# Altium PCB PCB.PcbDoc (part 1 of 3)
Units mm, origin at the board's own origin, x right, y up, seen from the top; angles counter-clockwise.
Board outline 100.74 x 35.37 mm, 4 copper layers (Top Layer, Mid Layer 1, Mid Layer 2, Bottom Layer), stack 0.999 mm thick; 266 components, 227 nets, 1140 pads, 295 vias.
Unrouted connection lines stored in the file: 229.
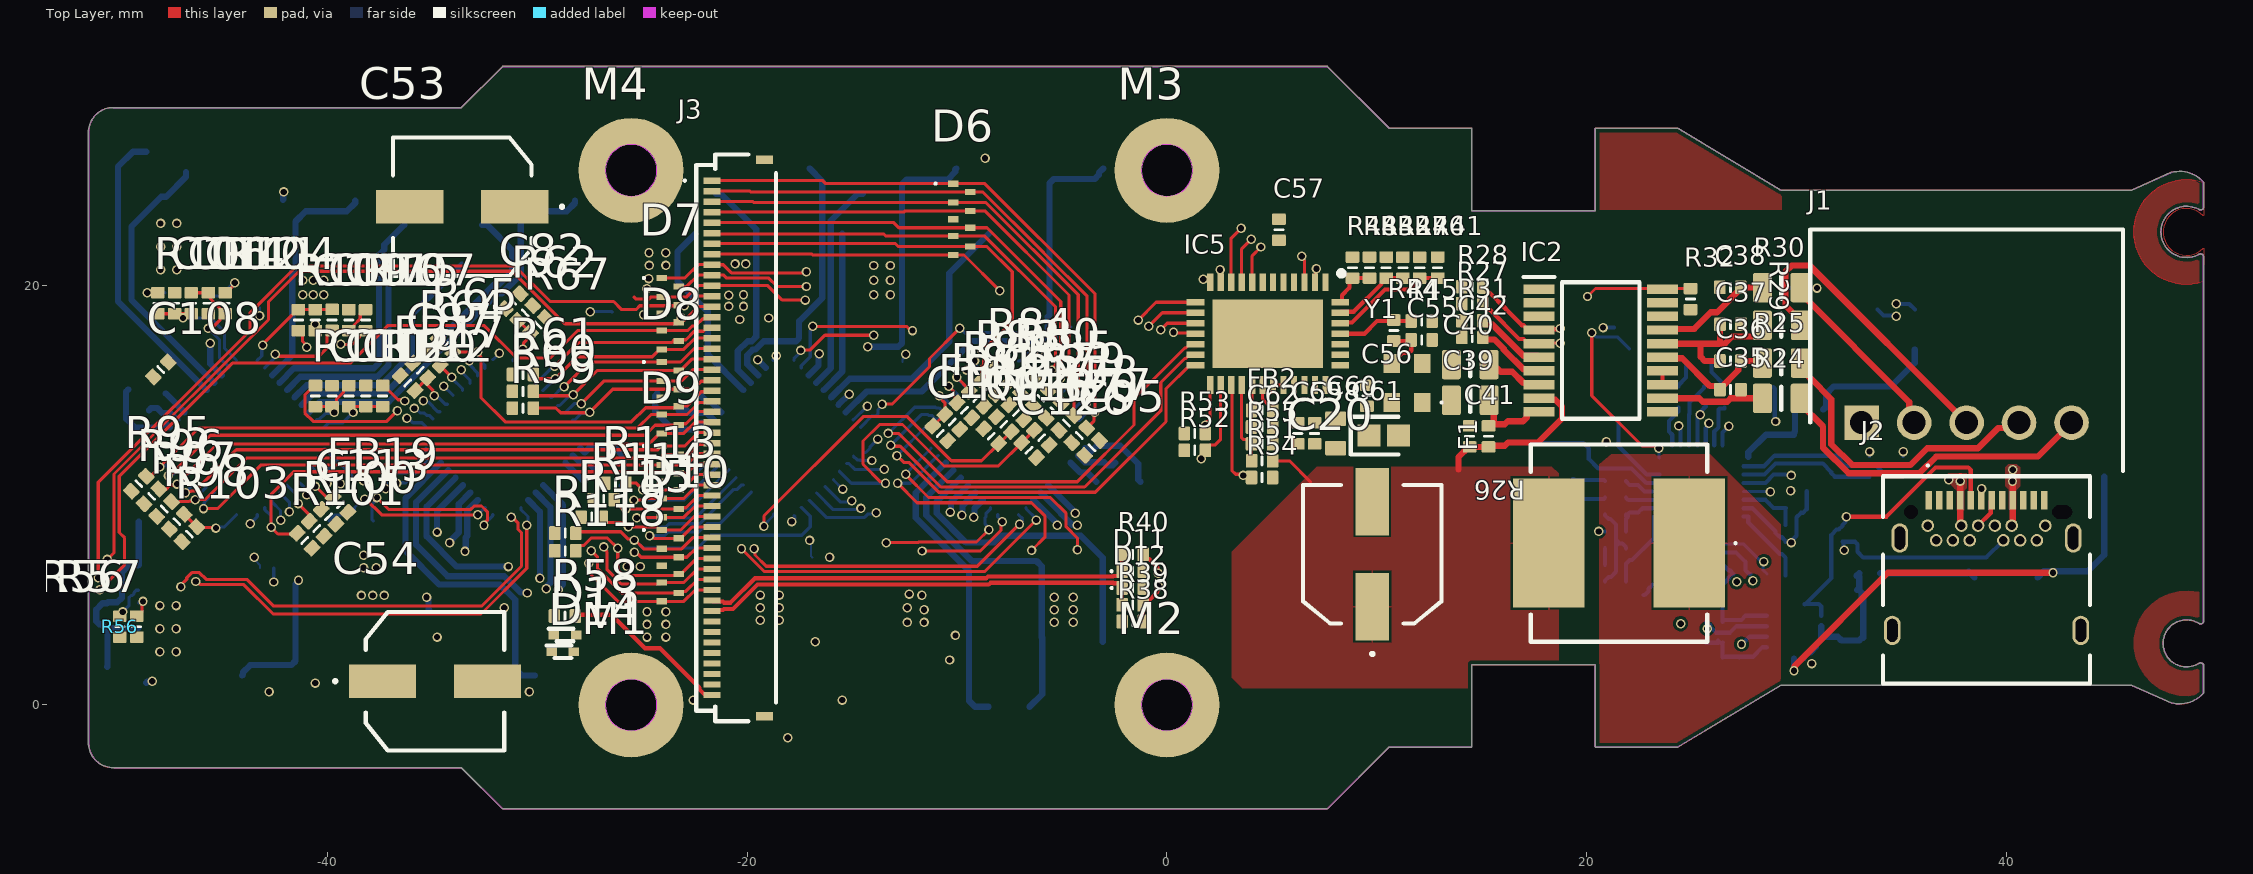
[diagram p0: Top Layer view]
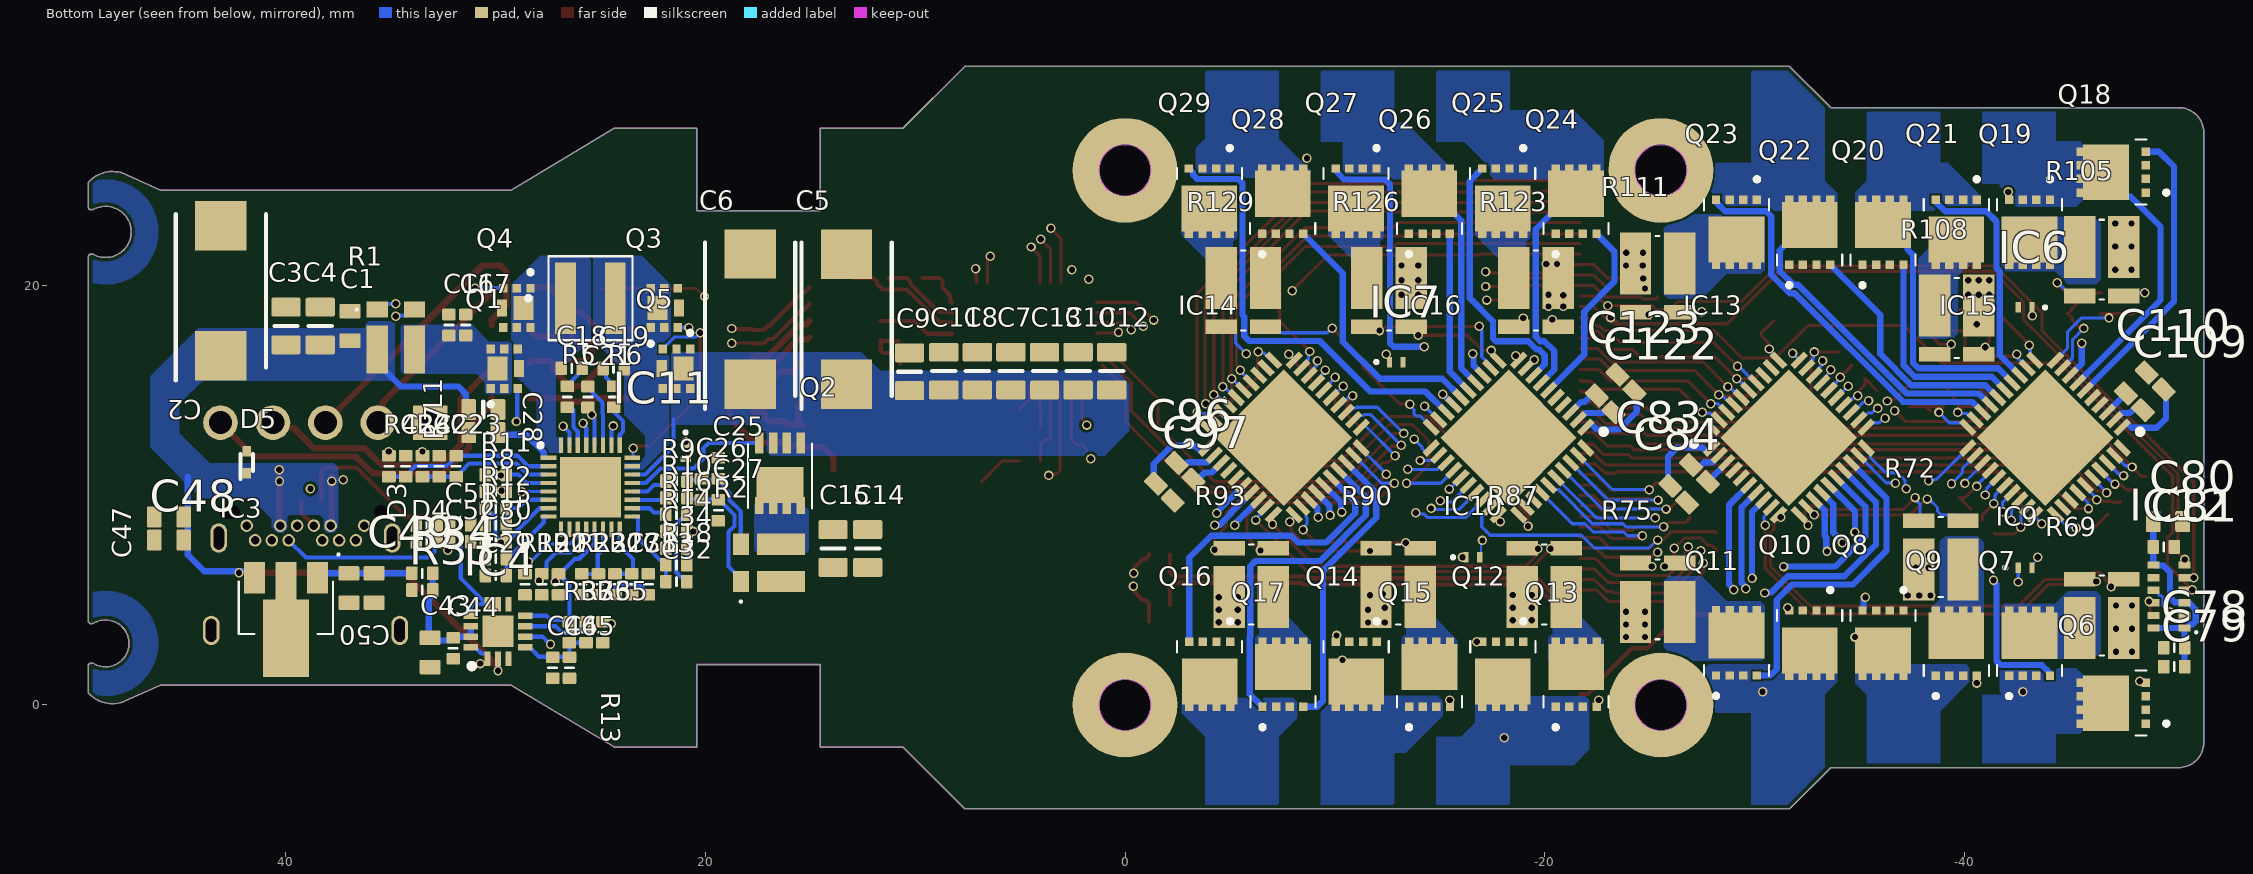
[diagram p1: Bottom Layer view, seen from below]
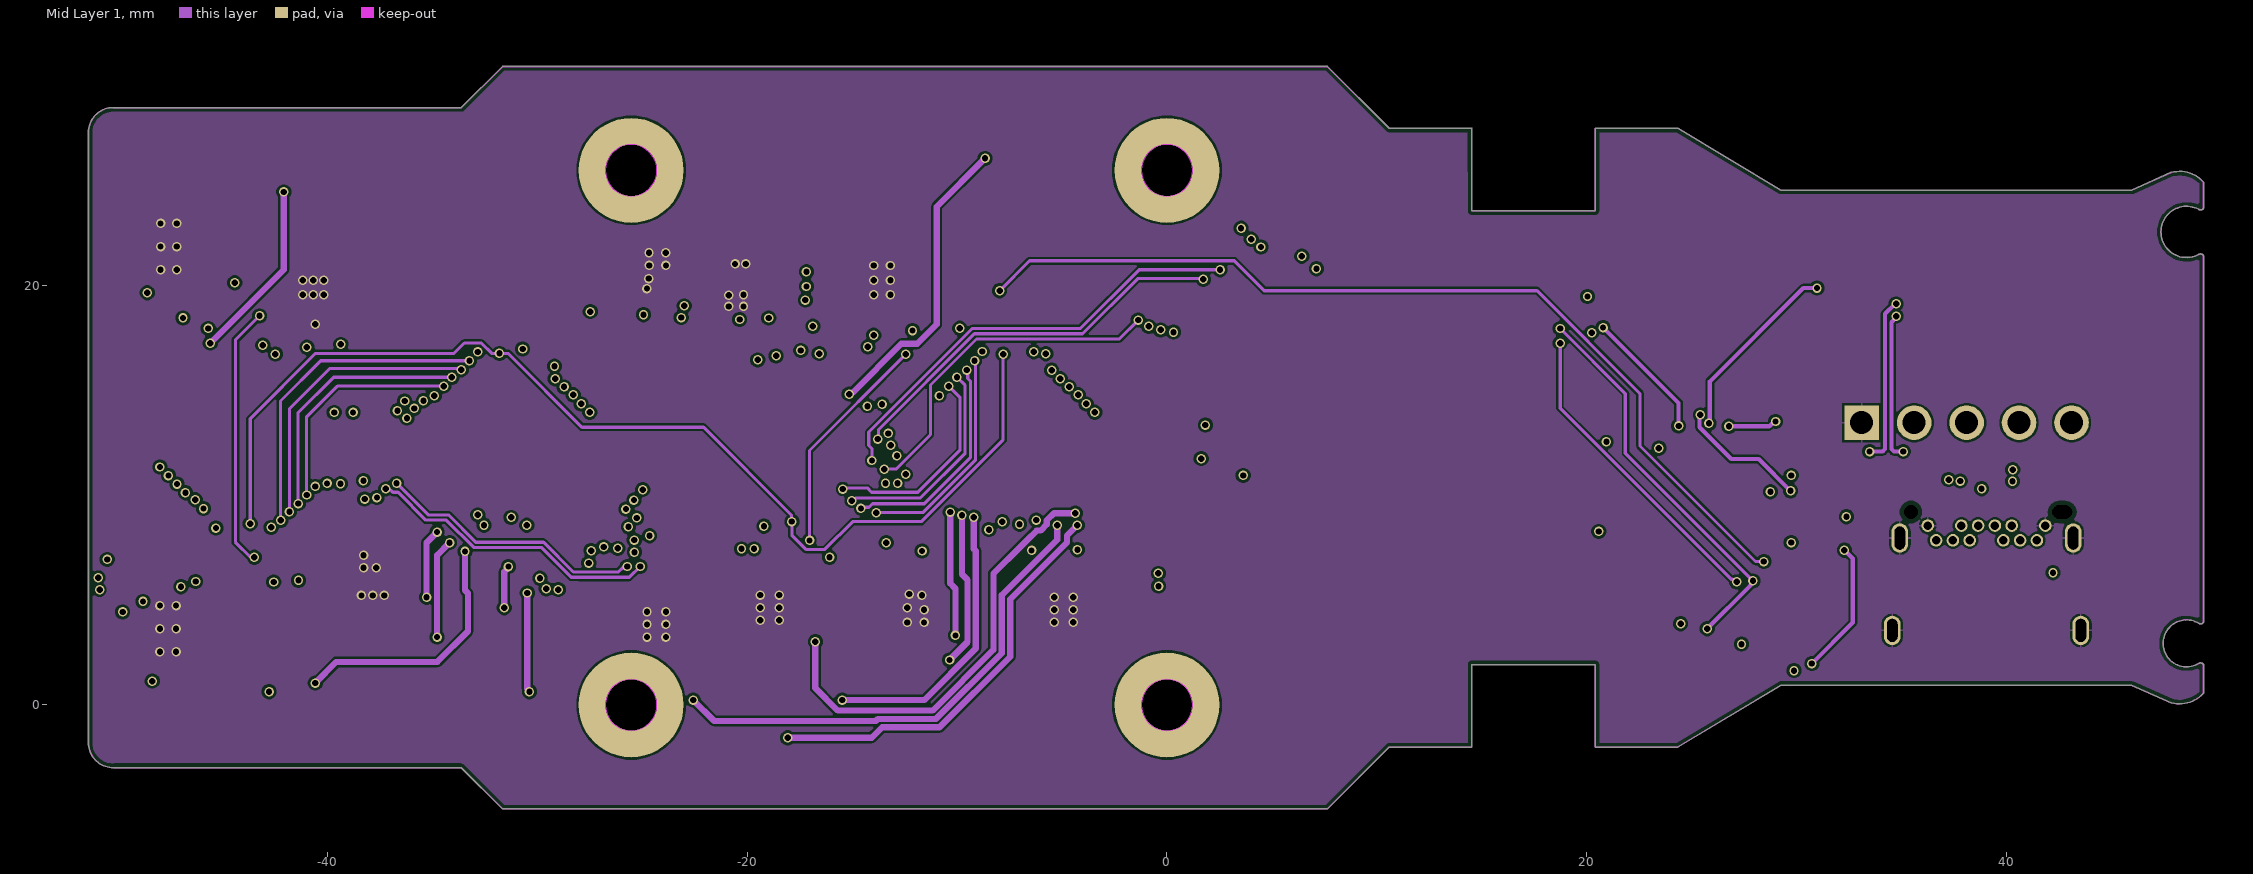
[diagram p2: Mid Layer 1]
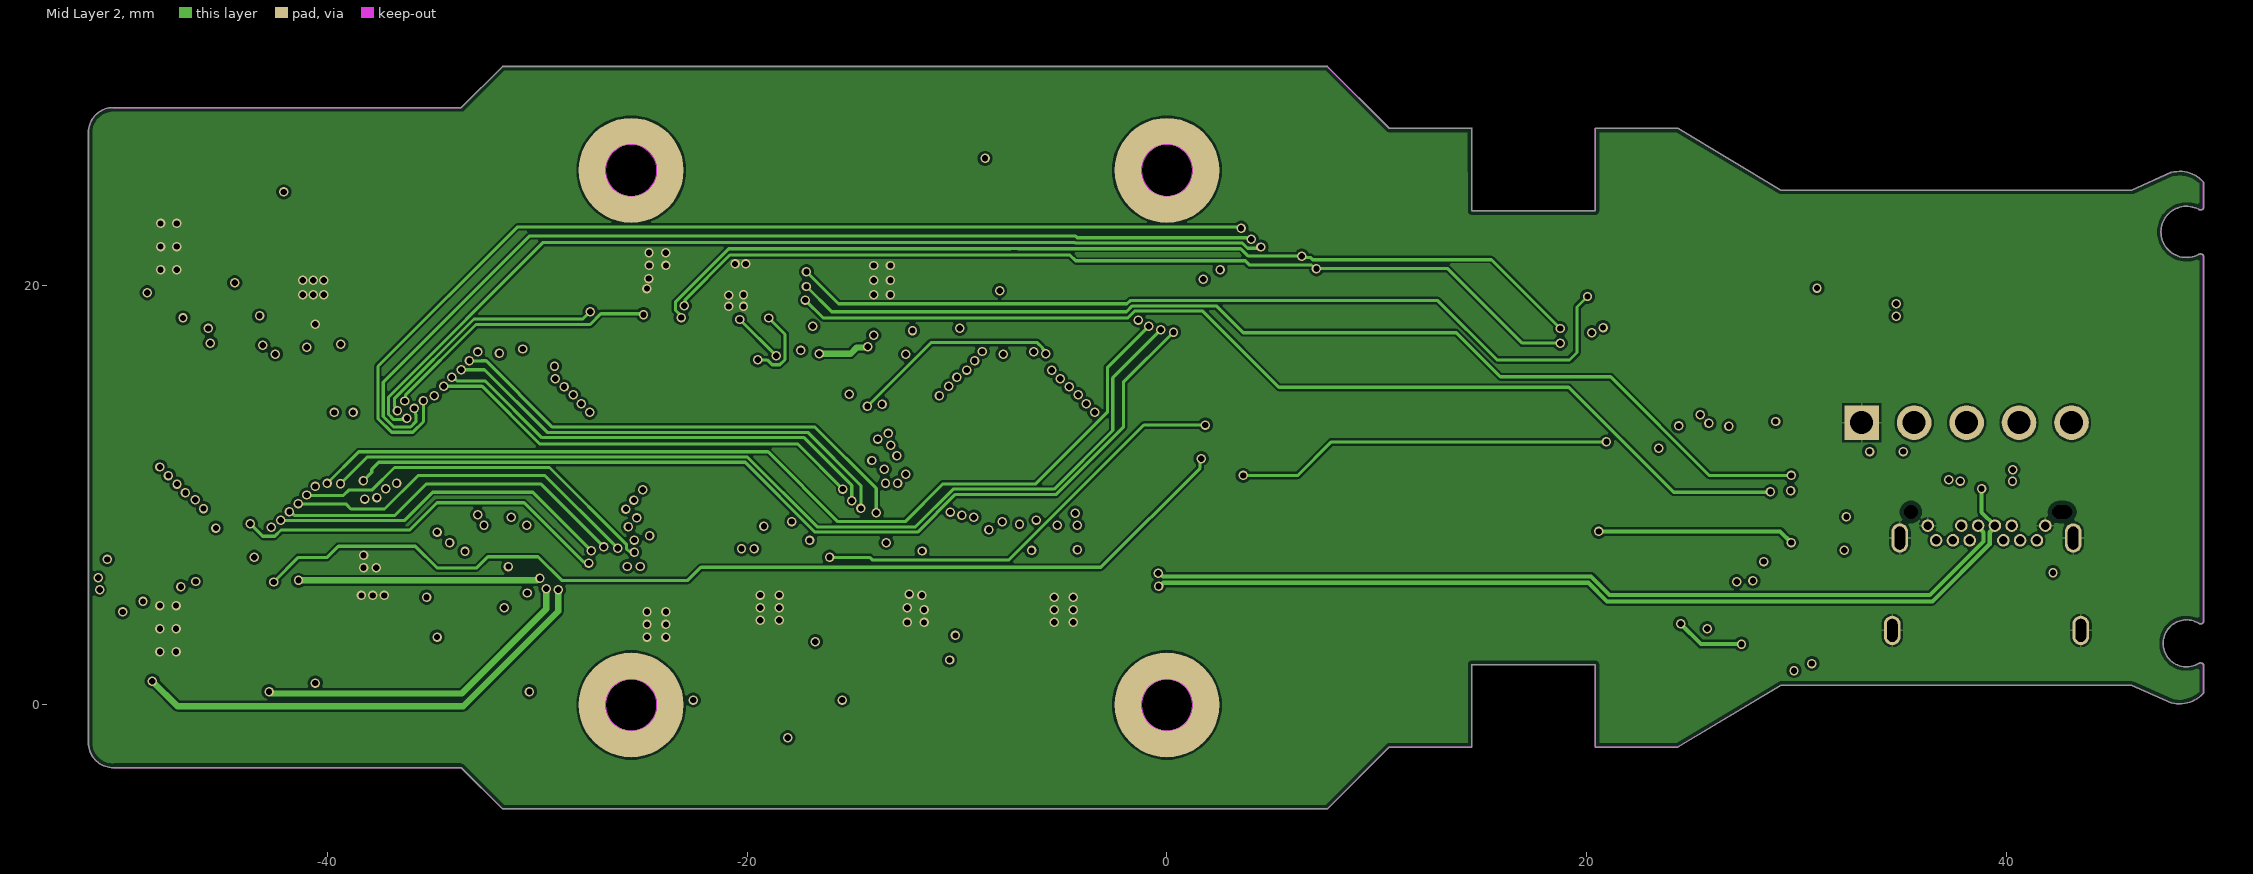
[diagram p3: Mid Layer 2]
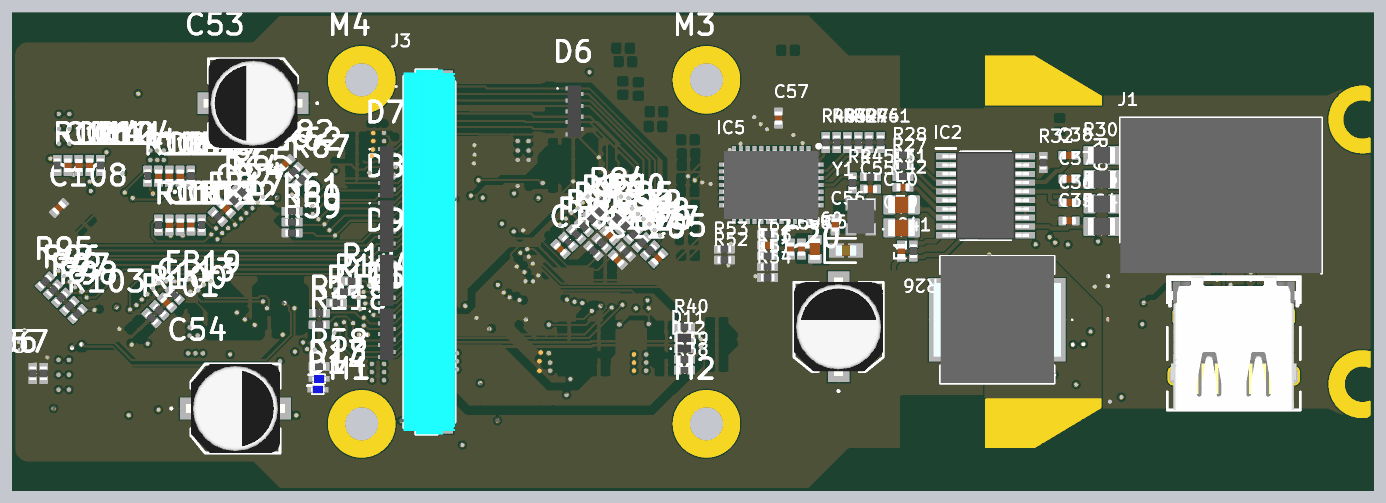
[diagram p6: 3D render of the assembled board from above, using the file's embedded part models]
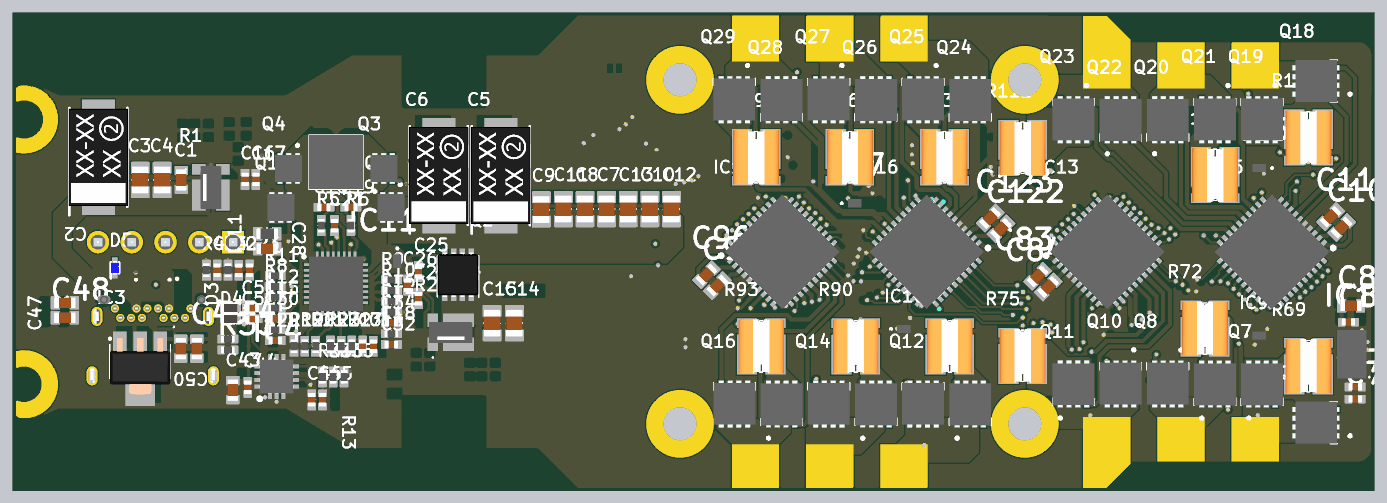
[diagram p7: 3D render of the assembled board from below, using the file's embedded part models]

## Layer stack, top to bottom
Top Solder: solder mask 0.0127, Solder Resist, Dk 3.8
Top Layer: signal copper 0.035
Dielectric 1: prepreg 0.0994, 3313, Dk 4.1
Mid Layer 1: signal copper 0.0152
Core: core 0.7, FR-4, Dk 4.6
Mid Layer 2: signal copper 0.0152
Dielectric 2: prepreg 0.0994, 3313, Dk 4.1
Bottom Layer: signal copper 0.035
Bottom Solder: solder mask 0.0127, Solder Resist, Dk 3.8

## Board outline
-50.168,-2.987 -33.609,-2.987 -31.647,-4.949 -31.642,-4.951 7.638,-4.951 7.643,-4.949 10.587,-2.005 14.512,-2.005 14.519,-1.998 14.519,1.923 20.397,1.923 20.397,-1.998 20.404,-2.005 24.332,-2.005 24.335,-2.004 29.244,0.941 45.934,0.941 47.826,0.1 47.832,0.1 ccw(c48.219,1.608) 49.368,0.557 49.372,0.571 49.372,1.918 49.371,1.921 ccw(c49.228,1.833) 49.149,1.981 49.142,1.981 cw(c48.56,2.933) 49.141,3.885 49.147,3.885 ccw(c49.23,4.032) 49.373,3.945 49.372,3.951 49.372,5.295 49.372,5.303 49.372,21.396 49.372,21.4 ccw(c49.228,21.313) 49.146,21.459 49.14,21.459 cw(c48.56,22.531) 49.14,23.602 49.145,23.601 ccw(c49.227,23.748) 49.37,23.659 49.372,23.663 49.372,24.902 49.368,24.908 ccw(c48.22,23.857) 47.831,25.364 47.827,25.364 45.934,24.523 29.244,24.523 24.335,27.467 24.332,27.469 20.404,27.469 20.397,27.462 20.397,23.541 14.519,23.541 14.519,27.462 14.512,27.469 10.587,27.469 7.643,30.413 7.638,30.415 -31.642,30.415 -31.647,30.413 -33.609,28.451 -50.169,28.451 -50.192,28.45 ccw(c-50.192,27.27) -51.371,27.27 -51.371,27.252 -51.37,-1.783 ccw(c-50.19,-1.806)

## Design rules (kind name [scope] priority, off if disabled: settings)
BoardOutlineClearance [All] p1: gap=0.2 ignorepadtopadclearanceinfootprint=FALSE
Clearance [All] p1: gap=0.1 ignorepadtopadclearanceinfootprint=FALSE except(0.2: Arc-Hole Track-Hole SMDPad-Hole THPad-Hole Via-Hole Fill-Hole Poly-Hole Region-Hole Text-Hole)
ComponentClearance [All] p1: gap=0.102 collisioncheckmode=3 verticalgap=0.102 showdistances=TRUE
DiffPairsRouting [All] p1: maxlimit=0.102 minlimit=0.102 mostfreqgap=0.102 toplayer_minwidth=0.102 toplayer_maxwidth=1816.048 toplayer_prefwidth=0.102 midlayer1_minwidth=0.102 midlayer1_maxwidth=1816.048 midlayer1_prefwidth=0.102 midlayer2_minwidth=0.102 midlayer2_maxwidth=1816.048 midlayer2_prefwidth=0.102 bottomlayer_minwidth=0.102 bottomlayer_maxwidth=1816.048 bottomlayer_prefwidth=0.102 maxuncoupledlength=12.7
Height [All] p1: minheight=0 maxheight=1816.048 prefheight=12.7
HoleSize [All] p1: absolutevalues=TRUE maxlimit=6.3 minlimit=0.2 maxpercent=80.000 minpercent=20.000
HoleToHoleClearance [All] p1: gap=0.25 allowstackedmicrovias=FALSE
MinimumAnnularRing [All] p1: minimumring=0.076
MinimumSolderMaskSliver [All] p1: minsoldermaskwidth=0
PlaneClearance [All] p1: clearance=0.102
PlaneConnect PlaneConnectPowerPads [InPadClass('PowerPads')] p1: planeconnectstyle=Direct reliefexpansion=0.508 reliefentries=4 reliefconductorwidth=0.254 reliefairgap=0.254
PlaneConnect [All] p2: pad.planeconnectstyle=Relief pad.reliefexpansion=0.3 pad.reliefentries=4 pad.reliefconductorwidth=0.102 pad.reliefairgap=0.102 via.planeconnectstyle=Direct via.reliefexpansion=0.3 via.reliefentries=4 via.reliefconductorwidth=0.127 via.reliefairgap=0.127
PolygonConnect DirectConnect [All vs Name Like 'L04_MOS*_RES'  or Name Like 'L04_MOS??_OUT'  or Name Like 'L04_BAT+_F' or Name Like 'L0?_BMS_POW_*'] p1: connectstyle=Direct reliefconductorwidth=0.254 reliefentries=4 polygonreliefangle="90 Angle" airgapwidth=0.254
PolygonConnect PolygonConnect_1 [All vs IsNamedPolygon('NETC25_2_L04_P056') Or IsNamedPolygon('NETC26_2_L04_P054')] p2: connectstyle=Direct reliefconductorwidth=0.254 reliefentries=4 polygonreliefangle="90 Angle" airgapwidth=0.254
PolygonConnect PolygonConnectPowerPads [All vs (InPadClass('PowerPads'))] p3: connectstyle=Direct reliefconductorwidth=0.254 reliefentries=4 polygonreliefangle="90 Angle" airgapwidth=0.254
PolygonConnect [All] p4: thpad.connectstyle=Relief thpad.reliefconductorwidth=0.102 thpad.reliefentries=4 thpad.polygonreliefangle="90 Angle" thpad.airgapwidth=0.102 smdpad.connectstyle=Relief smdpad.reliefconductorwidth=0.102 smdpad.reliefentries=4 smdpad.polygonreliefangle="90 Angle" smdpad.airgapwidth=0.102 via.connectstyle=Direct via.reliefconductorwidth=0.127 via.reliefentries=4 via.polygonreliefangle="90 Angle" via.airgapwidth=0.127
RoutingVias [All] p1: holewidth=0.3 width=0.45 viastyle="Through Hole" minholewidth=0.3 minwidth=0.45 maxholewidth=6.3 maxwidth=6.55
SilkToSilkClearance [All] p1: silktosilkclearance=0
SilkToSolderMaskClearance [IsPad] p1: minsilkscreentomaskgap=0.102 clearancetoexposedcopper=TRUE
SolderMaskExpansion [IsVia] p1: expansion=0.075 istentingtop=TRUE
SupplyNets "Schematic Supply Nets_4" [InNet('+FUSB')] p1: voltage=0.000
SupplyNets "Schematic Supply Nets_3" [InNet('GND')] p2: voltage=0.000
SupplyNets "Schematic Supply Nets_2" [InNet('+5V')] p3: voltage=0.000
SupplyNets "Schematic Supply Nets_1" [InNet('BAT+_F')] p4: voltage=0.000
SupplyNets "Schematic Supply Nets" [InNet('+3V3')] p5: voltage=0.000
Width [All] p1: maxlimit=1816.048 minlimit=0.102 preferedwidth=0.102
20 further rules are at their usual default settings.

## Classes and differential pairs
component class U_ESC_D: C121 C122 C123 C126 FB20 IC16 Q24 Q25 Q26 Q27 Q28 Q29 R113 R114 R115 R116 R118 R119 R121 R123 R126 R129
component class U_ESC_C: C108 C109 C110 C111 C112 C113 C114 C115 C116 C117 C118 C119 C120 FB19 IC15 Q18 Q19 Q20 Q21 Q22 Q23 R95 R96 R97 R98 R100 R101 R103 R104 R105 R106 R107 R108 R109 R110 R111 R112
component class U_ESC_B: C95 C96 C97 C100 FB18 IC14 Q12 Q13 Q14 Q15 Q16 Q17 R77 R78 R79 R80 R81 R82 R83 R84 R85 R87 R90 R93
component class U_ESC_A: C82 C83 C84 C87 FB17 IC13 Q6 Q7 Q8 Q9 Q10 Q11 R59 R60 R61 R62 R64 R65 R67 R69 R72 R75
component class U_FC_Conn: D6 D7 D8 D9 D10 D11 D12 D13 D14 J3 R58
component class U_ToF_Bottom: C78 C79 C80 C81 IC12 R56 R57
component class U_USB: C43 C44 C45 C46 C47 C48 C49 C50 C51 C52 D3 D4 D5 FF IC3 IC4 J2 R33 R34 R35 R36 R37 R38 R39 R40
component class U_BMS: C1 C2 C3 C4 C5 C6 C7 C8 C9 C10 C11 C12 C13 C14 C15 C16 C17 C18 C19 C20 C21 C22 C23 C24 C25 C26 C27 C28 C29 C30 C31 C32 C33 C34 C35 C36 C37 C38 C39 C40 C41 C42 F1 IC1 IC2 J1 L1 Q1 Q2 Q3 Q4 Q5 R1 R2 R3 R4 R5 R6 R7 R8 R9 R10 R11 R12 R13 R14 R15 R16 R17 R18 R19 R20 R21 R22 R23 R24 R25 R26 R27 R28 R29 R30 R31 R32
component class U_ADC+Temp: C55 C56 C57 C58 C59 C60 C61 C62 FB2 IC5 IC6 IC7 IC9 IC10 IC11 R41 R42 R43 R44 R45 R46 R47 R48 R51 R52 R53 R54 R55 Y1
component class Main: C53 C54 M1 M2 M3 M4
differential pair D: +D_P -D_N
differential pair CONN_D: +CONN_D_P -CONN_D_N

## Components (designator, comment, footprint, x,y, rotation, side; value= is the part's Value field where it differs from the comment)
C1 "Cap0603" CAP0603 36.914,18.052 r270 bottom value=10uF
C2 "TR3D336K025D0200" CAPPM7343X310N 43.059,19.727 r90 bottom value=33uF
C3 "Cap0805" CAP0805 39.959,18.052 r270 bottom value=10uF
C4 "Cap0805" CAP0805 38.334,18.052 r270 bottom value=10uF
C5 "293D226X0025D2TE3" CAPPM7343X310N 13.264,18.371 r90 bottom value=22uF
C6 "293D226X0025D2TE3" CAPPM7343X310N 17.854,18.377 r90 bottom value=22uF
C7 "Cap0805" CAP0805 5.434,15.902 r270 bottom value=10uF
C8 "Cap0805" CAP0805 7.034,15.902 r270 bottom value=10uF
C9 "Cap0805" CAP0805 10.264,15.871 r270 bottom value=10uF
C10 "Cap0805" CAP0805 2.234,15.902 r270 bottom value=10uF
C11 "Cap0805" CAP0805 8.634,15.902 r270 bottom value=10uF
C12 "Cap0805" CAP0805 0.634,15.902 r270 bottom value=10uF
C13 "Cap0805" CAP0805 3.834,15.902 r270 bottom value=10uF
C14 "Cap0805" CAP0805 12.258,7.452 r270 bottom value=10uF
C15 "Cap0805" CAP0805 13.909,7.452 r270 bottom value=10uF
C16 "Cap0402" CAP0402 32.2,18.1 r270 bottom value=10nF
C17 "Cap0402" CAP0402 31.4,18.1 r270 bottom value=1nF
C18 "Cap0402" CAP0402 26.35,16.033 r0 bottom value=47nF
C19 "Cap0402" CAP0402 24.364,16.033 r180 bottom value=47nF
C20 "EEH-ZL1V151XP" EEEHP1H4R7P 9.779,7.182 r0 top
C21 "Cap0402" CAP0402 25.577,14.671 r270 bottom value=2u2F
C22 "Cap0402" CAP0402 32.664,11.371 r270 bottom value=33nF
C23 "Cap0402" CAP0402 31.864,11.371 r90 bottom value=DNI
C24 "Cap0402" CAP0402 34.264,11.371 r90 bottom value=33nF
C25 "Cap0402" CAP0402 19.364,11.271 r270 bottom value=1uF
C26 "Cap0402" CAP0402 20.164,10.271 r270 bottom value=100nF
C27 "Cap0402" CAP0402 19.364,9.271 r270 bottom value=DNI
C28 "Cap0603" CAP0603 30.564,12.971 r180 bottom value=u47F
C29 "Cap0402" CAP0402 29.965,6.171 r180 bottom value=100pF
C30 "Cap0402" CAP0402 29.965,7.771 r180 bottom value=1uF
C31 "Cap0402" CAP0402 23.498,5.745 r90 bottom value=33pF
C32 "Cap0402" CAP0402 21.364,5.871 r0 bottom value=15pF
C33 "Cap0402" CAP0402 22.698,5.745 r270 bottom value=3n3F
C34 "Cap0402" CAP0402 21.364,7.471 r180 bottom value=1n2F
C35 "Cap0402" CAP0402 26.836,15.025 r0 top value=1uF
C36 "Cap0402" CAP0402 26.837,16.385 r0 top value=1uF
C37 "Cap0402" CAP0402 26.842,18.124 r180 top value=1uF
C38 "Cap0402" CAP0402 26.837,19.883 r180 top value=1uF
C39 "Cap0805" CAP0805 14.443,14.511 r0 top value=10uF
C40 "Cap0402" CAP0805 14.443,16.211 r0 top value=4u7F
C41 "Cap0402" CAP0402 14.418,12.791 r270 top value=1uF
C42 "Cap0402" CAP0402 14.543,17.511 r0 top value=1uF
C43 "Cap0603" CAP0603 33.1,2.5 r90 bottom value=2u2
C44 "Cap0402" CAP0402 32,2.7 r90 bottom value=100nF
C45 "Cap0402" CAP0402 26.464,1.771 r90 bottom value=100nF
C46 "Cap0402" CAP0402 27.264,1.771 r90 bottom value=1uF
C47 "Cap0603" CAP0603 45.534,8.952 r180 bottom value=2u2
C48 "Cap0603" CAP0603 45.534,7.852 r180 bottom value=2u2
C49 "Cap0603" CAP0603 35.764,5.571 r90 bottom value=2u2
C50 "Cap0603" CAP0603 36.964,5.571 r90 bottom value=2u2
C51 "Cap0402" CAP0402 31.664,8.571 r0 bottom value=470pF
C52 "Cap0402" CAP0402 31.664,7.771 r0 bottom value=470pF
C53 "EEH-ZL1V151XP" EEEHP1H4R7P -33.565,23.734 r90 top
C54 "EEH-ZL1V151XP" EEEHP1H4R7P -34.865,1.134 r270 top
C55 "Cap0402" CAP0402 12.133,17.38 r180 top value=DNI
C56 "Cap0402" CAP0402 9.529,14.732 r270 top value=DNI
C57 "Cap0402" CAP0402 5.329,22.632 r90 top value=100nF
C58 "Cap0402" CAP0402 7.029,12.932 r90 top value=100nF
C59 "Cap0402" CAP0402 6.229,12.932 r90 top value=100nF
C60 "Cap0603" CAP0603 8.029,12.932 r90 top value=DNI
C61 "TMCJ0J106MTRF" CAPPC1608X90N 10.329,12.832 r0 top value=10uF
C62 "Cap0402" CAP0402 4.529,13.232 r180 top value=DNI
C78 "Cap0402" CAP0402 -49.971,2.732 r180 bottom value=100nF
C79 "Cap0402" CAP0402 -49.971,1.832 r180 bottom value=100nF
C80 "Cap0603" CAP0603 -49.671,8.732 r0 bottom value=1uF
C81 "Cap0402" CAP0402 -49.471,7.532 r180 bottom value=100nF
C82 "Cap0402" CAP0402 -31.165,19.234 r45 top value=1uF
C83 "CapSMD0603" CAP0603 -26.465,10.934 r315 bottom value=47nF
C84 "CapSMD0603" CAP0603 -27.265,10.134 r135 bottom value=1uF
C87 "Cap0402" CAP0402 -35.566,15.937 r315 top value=100nF
C95 "Cap0402" CAP0402 -3.573,12.247 r45 top value=1uF
C96 "CapSMD0603" CAP0603 -1.965,11.034 r315 bottom value=47nF
C97 "CapSMD0603" CAP0603 -2.765,10.234 r135 bottom value=1uF
C100 "Cap0402" CAP0402 -10.805,12.929 r135 top value=100nF
C108 "Cap0402" CAP0402 -47.93,15.98 r45 top value=1uF
C109 "CapSMD0603" CAP0603 -48.977,14.534 r135 bottom value=47nF
C110 "CapSMD0603" CAP0603 -48.165,15.334 r315 bottom value=1uF
C111 "Cap0402" CAP0402 -45.665,19.134 r90 top value=DNI
C112 "Cap0402" CAP0402 -46.465,19.134 r270 top value=DNI
C113 "Cap0402" CAP0402 -39.935,8.963 r135 top value=100nF
C114 "Cap0402" CAP0402 -47.265,19.134 r90 top value=DNI
C115 "Cap0402" CAP0402 -38.965,18.334 r270 top value=DNI
C116 "Cap0402" CAP0402 -39.765,18.334 r90 top value=DNI
C117 "Cap0402" CAP0402 -40.565,18.334 r270 top value=DNI
C118 "Cap0402" CAP0402 -39.763,14.712 r270 top value=DNI
C119 "Cap0402" CAP0402 -38.963,14.712 r270 top value=DNI